# Altium PCB SI944D.PcbDoc (part 3 of 5)
Units mm, origin at the board's own origin, x right, y up, seen from the top; angles counter-clockwise.
Board outline 281.94 x 89 mm, 4 copper layers (Top, MidLayer1, MidLayer2, Bottom), stack 1.65 mm thick; 571 components, 351 nets, 1529 pads, 905 vias.
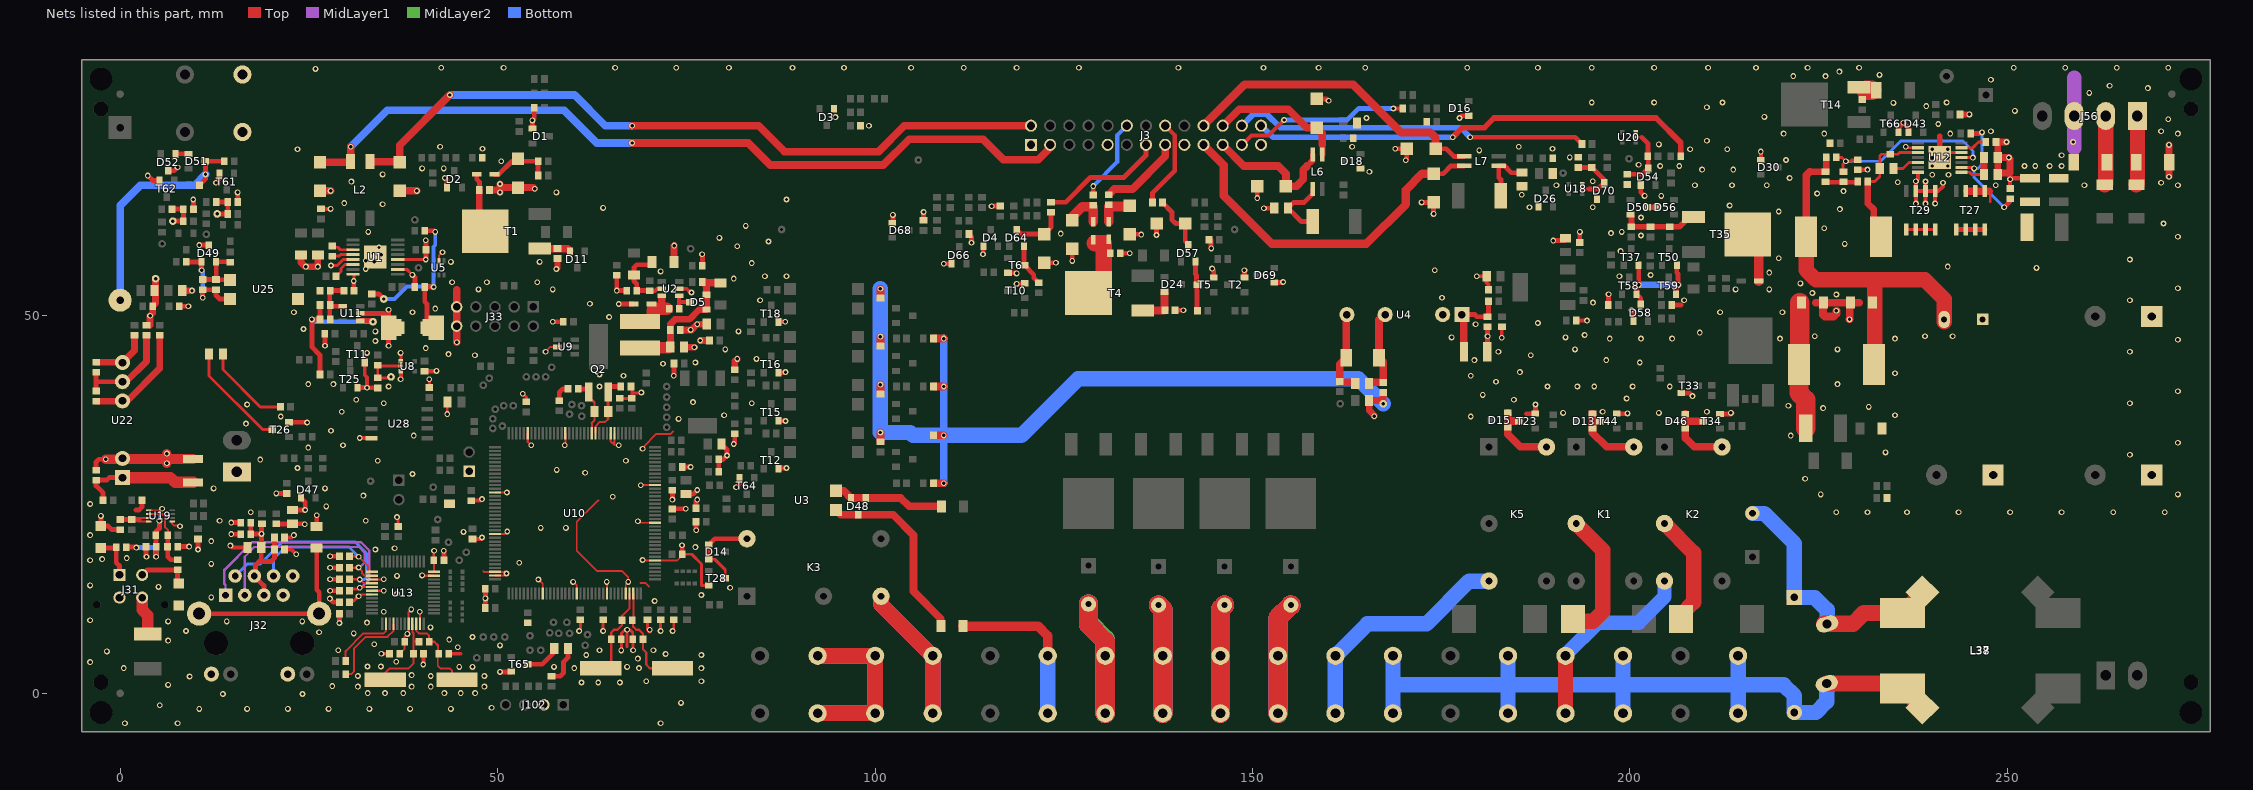
[diagram p5: the nets of this part, all layers, seen from the top]

## Via types
v1: diameter 0.77, hole 0.45, Top to Bottom, 900 vias
v2: diameter 1.27, hole 0.8, Top to Bottom, 4 vias
v3: diameter 1.016, hole 0.45, Top to Bottom, 1 vias

## Nets (pads, with @x,y where several pads share a name; then routed paths per layer and width w, separated by ;. In a path a pad name is that pad's centre, name@x,y a point inside that pad or via, vN(x,y) a via of type N, cw(c..) or ccw(c..) an arc to the next point about the centre after c; other vN are vias at no path point) (continued)
ALIM_SIRENE_EXT: J3.12 L22.2 | length 11
  Top w0.635: L22.2@128.905,66.004 v1(128.905,67.183)
  Bottom w0.535: v1(128.905,67.183) 132.08,70.358 132.08,73.92 J3.12@133.35,75.19
ALIM_SIRENE_INT: J3.15 L21.2 | length 10.9
  Top w1.016: L21.2@131.064,66.167 131.699,66.802 134.112,66.802 138.43,71.12 J3.15@138.43,72.65
BA_ALIM: J31.4 L31.1 | length 5.1
  Top w1.524: J31.4@2.92,12.68 2.92,11.05 3.651,10.319 L31.1@3.651,7.856
BA_SCL: D33.K J31.2 L30.2 | length 6.8
  Top w0.381: D33.K@7.62,14.658 D33.K@7.747,14.531
  Top w0.635: J31.2@2.92,15.68 3.587,16.347 L30.2@7.62,16.347 D33.K@7.62,14.658
BA_SDA: D34.K J31.1 L32.2 | length 5.9
  Top w0.635: D34.K@-2.54,19.251 -0.628,19.251 L32.2@-0.512,19.367 -0.512,17.304 -0.08,16.872 J31.1@-0.08,15.68
COMMANDE_SIRENE_EXT: J3.13 L36.2 | length 16.5
  Top w0.635: L36.2@123.317,65.06 125.258,65.06 128.524,68.326 132.969,68.326 135.89,71.247 J3.13@135.89,72.65
COMMANDE_SIRENE_INT: J3.16 L35.2 | length 11.9
  Top w0.535: J3.16@138.43,75.19 139.7,73.92 139.7,69.215
  Top w0.635: L35.2@136.743,65.024 136.743,66.258 139.7,69.215
COMPTEUR_GAZ: J3.26 L33.1 | length 60.4
  Top w0.762: v1(176.53,73.66) 177.8,74.93 180.721,74.93 181.991,76.2 203.454,76.2 206.728,72.926 L33.1@206.728,71.12
  Bottom w0.762: J3.26@151.13,75.19 151.2,75.19 152.73,73.66 v1(176.53,73.66)
CU_K1: J48.1 J48.2 K2.14 | length 26.1
  Top w2.032: J48.1@191.46,-2.65 J48.2@191.46,4.97
  Bottom w1.905: J48.2@191.46,4.97 191.46,5.088 195.739,9.366 201.136,9.366 204.565,12.795 K2.14@204.565,14.859
DETECT_FUITE_1_+: D10.K J3.21 L6.4 | length 18.1
  Top w0.762: 157.226,69.85 157.988,70.612 L6.4@157.988,71.374
  Top w1.016: J3.21@146.05,72.65 148.85,69.85 153.394,69.85 154.432,68.812 D10.K@154.432,67.183 155.829,67.183 156.718,68.072 156.718,69.342 157.226,69.85
DETECT_FUITE_1_-: D17.K J3.22 L6.3 | length 18.2
  Top w0.762: L6.3@159.258,71.374 159.258,72.644
  Top w1.016: J3.22@146.05,75.19 148.243,77.383 154.724,77.383 157.177,74.93 D17.K@158.496,74.93 159.258,74.168 159.258,72.644
DETECT_FUITE_2_+: D19.K J3.19 L7.4 | length 47.7
  Top w0.635: D19.K@173.99,68.834 175.26,68.834 176.276,69.85 L7.4@178.054,69.85
  Top w1.106: J3.19@143.51,72.65 146.177,69.983 146.177,65.913 152.527,59.563 165.1,59.563 170.307,64.77 170.307,66.675 172.466,68.834 D19.K@173.99,68.834
DETECT_FUITE_2_-: D20.K J3.20 L7.3 | length 41.6
  Top w0.635: D20.K@174.244,72.136 175.641,72.136 176.657,71.12 L7.3@178.054,71.12
  Top w1.106: J3.20@143.51,75.19 148.965,80.645 163.322,80.645 169.672,74.295 173.545,74.295 174.244,73.596 D20.K@174.244,72.136
DETECT_PLUIE: J3.23 L26.1 | length 23.3
  Top w0.535: J3.23@148.59,72.65 149.857,73.917 151.655,73.917 151.658,73.914 152.146,73.914 v1(154.178,75.946) ; v1(168.656,77.47) L26.1@169.89,77.47
  Bottom w0.635: v1(154.178,75.946) 162.56,75.946 164.084,77.47 v1(168.656,77.47)
DETECT_VENT: J3.24 L46.1 | length 47.3
  Top w0.635: v1(178.816,73.66) 192.75,73.66 L46.1@193.639,72.771
  Bottom w0.762: J3.24@148.59,75.19 150.108,76.708 151.892,76.708 153.67,74.93 177.546,74.93 v1(178.816,73.66)
ETH_RD+: J32.3 R77.1 U13.14 | length 27.7
  Top w0.254: v1@31.623,16.637 32.067,16.192 32.067,15.875 32.358,15.585 U13.14@33.344,15.585
  Top w0.381: R77.1@30.389,16.637 v1@31.623,16.637
  MidLayer1 w0.305: J32.3@16.51,13 16.51,18.098 17.78,19.367 31.686,19.367 32.385,18.669 32.385,17.304 v1@31.718,16.637 ; v1@31.528,16.669 v1(31.591,16.669)
ETH_RD-: J32.6 R72.1 U13.13 | length 18.9
  Top w0.254: v1@31.528,18.161 v1(31.591,18.098) 32.861,16.828 32.861,16.085 U13.13@33.344,16.085
  Top w0.381: R72.1@30.389,18.161 v1@31.528,18.161
  Bottom w0.381: J32.6@20.32,15.54 20.32,17.78 21.907,19.367 30.321,19.367 v1(31.591,18.098)
ETH_TD+: J32.1 R79.1 U13.17 | length 33.3
  Top w0.254: v1(31.75,13.97) 31.865,14.085 U13.17@33.344,14.085
  Top w0.381: R79.1@30.389,13.589 30.611,13.811 31.591,13.811 v1(31.75,13.97)
  MidLayer1 w0.305: J32.1@13.97,13 13.97,14.351 13.811,14.51 13.811,16.351 17.462,20.002 31.909,20.002 33.02,18.891 33.02,15.081 31.909,13.97 v1(31.75,13.97)
ETH_TD-: J32.2 R78.1 U13.16 | length 27.3
  Top w0.254: v1(31.75,15.081) 32.246,14.585 U13.16@33.344,14.585
  Top w0.381: R78.1@30.389,15.113 31.718,15.113 v1(31.75,15.081)
  Bottom w0.381: J32.2@15.24,15.54 16.845,17.145 18.574,17.145 21.495,20.066 31.115,20.066 32.639,18.542 32.639,15.367 32.353,15.081 v1(31.75,15.081)
EV: J37.1 J37.2 K3.14 | length 73.5
  Top w2.032: K3.14@100.806,12.859 100.806,11.747 107.584,4.97 J37.2@107.64,4.97 J37.1@107.64,-2.65
  MidLayer1 w2.032: K3.14@100.806,12.859 100.806,11.747 107.584,4.97 J37.2@107.64,4.97 J37.1@107.64,-2.65
  MidLayer2 w2.032: K3.14@100.806,12.859 100.806,11.747 107.584,4.97 J37.2@107.64,4.97 J37.1@107.64,-2.65
  Bottom w2.032: K3.14@100.806,12.859 100.806,11.747 107.584,4.97 J37.2@107.64,4.97 J37.1@107.64,-2.65
FP_SDB1: F8.2 J42.1 J42.2 | length 58.2
  Top w2.54: J42.1@145.74,-2.65 J42.2@145.74,4.97 145.74,11.11 F8.2@146.304,11.674
  MidLayer1 w2.54: J42.1@145.74,-2.65 J42.2@145.74,4.97 145.74,11.11 F8.2@146.304,11.674
  MidLayer2 w2.54: J42.1@145.74,-2.65 J42.2@145.74,4.97 145.74,11.11 F8.2@146.304,11.674
  Bottom w2.54: J42.1@145.74,-2.65 J42.2@145.74,4.97 145.74,11.11 F8.2@146.304,11.674
FP_SDB2: F9.2 J43.1 J43.2 | length 60.1
  Top w2.54: J43.1@153.36,-2.65 J43.2@153.36,4.97 153.36,9.967 F9.2@155.067,11.674
  MidLayer1 w2.54: J43.1@153.36,-2.65 J43.2@153.36,4.97 153.36,9.967 F9.2@155.067,11.674
  MidLayer2 w2.54: J43.1@153.36,-2.65 J43.2@153.36,4.97 153.36,9.967 F9.2@155.067,11.674
  Bottom w2.54: J43.1@153.36,-2.65 J43.2@153.36,4.97 153.36,9.967 F9.2@155.067,11.674
FP_ZJ: F6.2 J40.1 J40.2 | length 61.5
  Top w2.54: F6.2@128.27,11.801 128.27,9.144 130.5,6.914 J40.2@130.5,4.97 J40.1@130.5,-2.65
  MidLayer1 w2.54: F6.2@128.27,11.801 128.27,9.144 130.5,6.914 J40.2@130.5,4.97 J40.1@130.5,-2.65
  MidLayer2 w2.54: F6.2@128.27,11.801 128.27,9.398 130.5,7.168 J40.2@130.5,4.97 J40.1@130.5,-2.65
  Bottom w2.54: F6.2@128.27,11.801 128.27,9.144 130.5,6.914 J40.2@130.5,4.97 J40.1@130.5,-2.65
FP_ZN: F7.2 J41.1 J41.2 | length 58.3
  Top w2.54: F7.2@137.541,11.674 138.12,11.095 J41.2@138.12,4.97 J41.1@138.12,-2.65
  MidLayer1 w2.54: F7.2@137.541,11.674 138.12,11.095 J41.2@138.12,4.97 J41.1@138.12,-2.65
  MidLayer2 w2.54: F7.2@137.541,11.674 138.12,11.095 J41.2@138.12,4.97 J41.1@138.12,-2.65
  Bottom w2.54: F7.2@137.541,11.674 138.12,11.095 J41.2@138.12,4.97 J41.1@138.12,-2.65
GND: C1.2 C2.2 C3.2 C4.2 C5.2 C6.1 C7.2 C9.1 C10.1 C11.1 C12.1 C13.1 C14.1 C15.1 C16.1 C17.1 C18.2 C19.1 C20.2 C24.2 C25.1 C26.1 C27.2 C28.2 C31.2 C32.2 C33.2 C34.1 C35.1 C36.2 C37.2 C38.2 C39.2 C40.2 C41.2 C42.2 C43.2 C44.2 C45.2 C46.2 C47.1 C48.2 C49.1 C50.2 C51.1 C52.1 C54.1 C55.2 C56.2 C57.2 C58.1 C59.2 C60.2 C61.2 C62.2 C63.1 C64.1 C65.1 C66.1 C67.2 C68.2 C69.2 C70.1 C71.2 C72.2 C73.1 C79.2 C80.2 C83.1 C84.2 C86.2 C87.2 C90.1 C94.1 C95.1 C96.1 C97.2 C98.1 C100.2 C101.1 C102.1 C103.2 C104.2 C105.1 C106.2 C107.2 C108.1 C109.1 C110.1 C111.2 C112.2 C114.2 C115.2 C118.1 C119.2 C120.1 C138.2 C139.2 C140.2 C141.2 C142.1 C143.2 D1.1 D2.1 D3.1 D4.1 D8.A D9.A D10.A D16.1 D17.A D18.1 D19.A D20.A D26.1 D27.K D30.1 D33.A D34.A D39.A D40.A D43.1 D44.K D47.1 D54.1 D55.K D58.1 D59.A D60.A D61.A D62.A D63.A D65.A D66.1 D68.1 D69.1 D70.1 J3.1 J3.9 J3.17 J3.25 J31.3 J32.7 J32.8 J33.9 J33.10 J53.1 J54.1 J56.3 J102.2 R6.1 R13.2 R26.1 R30.1 R33.1 R34.1 R65.1 R67.1 R81.1 R85.1 R88.1 R95.1 R96.2 R98.2 R99.2 R100.1 R168.1 R207.1 R208.1 T2.2 T5.2 T6.2 T10.2 T11.2 T12.2 T15.2 T16.2 T18.2 T23.2 T25.2 T26.2 T28.2 T29.1 T29.2 T29.3 T33.2 T34.2 T44.2 T64.2 T65.2 T66.2 U1.2 U1.4 U1.13 U1.16 U1.PAD U2.2 U4.2 U5.2 U8.1 U8.3 U9.2 U10.8 U10.9 U10.21 U10.31 U10.49 U10.60 U10.70 U10.71 U10.82 U10.91 U10.99 U10.104 U10.114 U10.124 U10.134 U11.2 U12.5 U12.9 U12.14 U12.EP U13.15 U13.18 U13.35 U13.47 U18.3 U19.1 U20.3 U22.2 U25.3 U28.4 | length 403.3
  Top w0.203: U10.114@70.832,17.593 73.79,17.593 74.458,18.26 C43.2@74.458,18.41
  Top w0.254: U19.1@6.884,22.745 6.884,22.485 7.144,22.225 7.938,22.225 7.925,22.212 7.925,22.2 7.938,22.187 v1(7.938,22.127) ; v1(39.688,10.795) 39.715,10.768 U13.35@39.715,9.214 ; v1(40.005,15.621) v1@40.041,15.585 ; U5.2@42.227,57.306 42.227,57.944 v1(42.704,58.42) ; 48.101,16.192 48.201,16.093 U10.70@49.632,16.093 v1@50.963,16.093 ; U10.71@49.632,15.593 50.899,15.593 ; U10.60@49.632,21.093 50.938,21.093 v1(51.276,21.431) ; U10.49@49.632,26.593 v1(51.231,26.593) ; v1(55.404,15.081) 55.982,14.503 U10.82@55.982,13.243 ; v1(56.356,45.244) 56.991,45.879 U9.2@57.904,45.879 ; v1(58.896,32.861) 59.055,32.861 58.982,32.934 U10.21@58.982,34.443 ; v1(60.008,14.764) 60.482,14.289 U10.91@60.482,13.243 ; 63.341,25.559 60.484,22.701 60.484,18.891 63.182,16.192 66.516,16.192 67.31,15.399 v1(67.31,14.764) 66.982,14.436 U10.104@66.982,13.243 ; v1(64.453,14.764) 64.453,14.794 64.482,14.765 U10.99@64.482,13.243 ; U10.9@64.982,34.443 64.982,33.443 ccw(c65.273,33.443) 65.273,33.152 ; U10.8@65.482,34.443 65.482,33.361 ; v1(66.04,32.861) 65.564,32.861 65.482,32.943 ; v1(68.58,22.796) 68.784,22.593 U10.124@70.832,22.593 ; 68.897,14.605 69.596,14.605 70.04,14.16 ; v1(68.961,27.559) 68.995,27.593 U10.134@70.832,27.593 ; v1(69.215,17.653) 69.275,17.593 U10.114@70.832,17.593 ; v1@69.367,32.588 69.367,32.69 71.044,34.366 72.942,34.366 73.263,34.687 ; 65.273,33.152 65.482,33.361 ; 65.273,33.152 65.482,32.943 ; 65.482,32.943 65.482,33.361
  Top w0.305: U13.18@33.344,13.585 34.921,13.585 v1(34.925,13.589) ; U13.15@33.344,15.085 34.953,15.085 v1(34.925,15.113) ; v1@40.041,15.585 U13.47@41.586,15.585 ; v1(42.862,18.891) 42.862,18.86 v1@42.898,18.824 ; 50.899,15.593 v1(51.181,15.875) v1@50.963,16.093 ; U10.31@53.982,34.443 53.982,33.33 v1(54.451,32.861) ; v1(74.422,19.621) v1@74.458,19.586
  Top w0.381: v1(27.94,56.674) 28.765,56.674 29.552,57.46 U1.13@30.844,57.46 ; U1.16@30.844,55.51 30.956,55.398 v1(30.956,54.61) ; U1.2@36.784,56.16 37.979,56.16 v1(38.713,55.426) ; U1.4@36.784,57.46 v1@40.474,57.46 ; v1(37.148,45.085) 37.201,45.032 U8.1@37.201,43.989 ; C143.2@40.957,40.517 v1(40.957,41.593) ; v1(43.339,36.989) 43.339,38.538 C120.1@43.377,38.576 ; v1(53.34,39.688) 53.816,39.211 C46.2@53.816,38.771 ; C46.2@53.816,38.612 C46.2@53.816,38.771 ; C46.2@53.848,38.771 C46.2@53.816,38.771 ; v1(60.801,8.255) 60.96,8.414 C38.2@60.96,9.743 ; v1(63.976,8.255) C41.2@63.976,9.743 ; C37.2@66.199,39.088 66.199,39.052 C40.2@67.79,39.052 ; v1(66.393,5.679) C26.1@66.393,7.144 66.393,7.948 66.859,8.414 v1(67.151,8.414) ; 67.158,6.172 67.158,8.407 v1(67.151,8.414) ; C27.2@67.663,40.64 67.786,40.517 67.786,39.802 ; C40.2@67.786,39.088 67.786,39.802 ; v1(67.945,5.715) 67.945,7.108 C25.1@67.909,7.144 67.909,8.037 67.532,8.414 v1(67.151,8.414) ; v1@69.056,39.688 v1(69.056,39.846) 69.012,39.802 67.786,39.802 ; C102.1@69.85,9.743 69.85,8.414 70.168,8.096 70.247,8.096 70.168,8.176 v1(70.168,8.414) ; v1(71.596,8.255) C32.2@71.596,9.743 ; v1(73.184,8.255) 73.343,8.255 C33.2@73.343,9.743 ; C43.2@74.458,18.41 C43.2@74.462,18.415 ; C43.2@74.458,18.415 C43.2@74.462,18.415 ; T28.2@77.957,14.265 77.016,14.265 76.994,14.287 76.994,17.145 75.724,18.415 C43.2@74.462,18.415 ; v1(236.537,72.39) 236.659,72.269 U12.9@238.171,72.269 ; U12.EP@241.046,70.993 241.672,71.619 U12.5@243.921,71.619
  Top w0.508: v1(14.605,19.558) 14.859,19.304 C58.1@16.866,19.304 ; C69.2@21.784,19.05 22.701,19.05 v1(23.336,18.415) ; C68.2@21.784,20.637 22.701,20.637 v1(23.019,20.955) ; C18.2@26.607,64.171 v1(27.877,64.171) ; v1(31.75,33.814) U28.4@33.289,33.814 ; v1@32.703,40.492 32.703,41.864 32.407,42.159 T11.2@32.407,43.826 32.407,44.79 v1(32.703,45.085) ; v1(34.608,5.239) C67.2@35.683,5.239 ; v1(37.148,41.593) 37.201,41.646 U8.3@37.201,42.689 ; v1@40.164,3.969 40.199,4.004 C64.1@40.199,5.239 ; C65.1@43.533,5.239 45.085,5.239 ; C45.2@46.514,25.523 47.748,25.523 v1(47.942,25.717) ; C36.2@46.672,20.443 47.907,20.443 47.942,20.479 v1(47.942,20.637) ; U2.2@74.049,53.594 75.057,53.594 75.565,53.086 v1(75.692,53.086) ; v1@179.705,55.309 v1(179.705,55.245) C101.1@181.013,55.245 181.013,54.381 181.256,54.138 C84.2@181.256,53.467 ; v1(183.007,47.085) 183.007,48.51 C4.2@183.039,48.542 ; R88.1@192.885,49.371 v1(194.31,49.371) ; v1(217.329,71.755) 217.34,71.744 D30.1@217.34,70.666 ; v1(237.871,64.873) T29.3@237.871,66.524 ; U12.14@238.171,68.897 238.171,68.118 v1(237.871,67.818) T29.3@237.871,66.524 ; v1(239.141,64.873) T29.2@239.141,66.524 ; v1(239.141,67.794) T29.2@239.141,66.524 ; v1(240.411,64.885) T29.1@240.411,66.524 ; v1(241.459,67.627) 241.459,67.151 240.831,66.524 T29.1@240.411,66.524 ; C48.2@250.349,66.869 v1(250.349,68.104) ; T29.3@237.871,66.524 T29.2@239.141,66.524 ; T29.2@239.141,66.524 T29.1@240.411,66.524
  Top w0.635: C115.2@-3.175,29.563 -3.175,30.639 -2.8,31.013 v1(-1.905,31.013) ; v1(-2.54,23.495) D34.A@-2.54,22.151 -1.577,22.151 -1.107,21.681 C87.2@0,21.681 ; 2.064,24.289 2.54,24.289 2.893,24.642 C114.2@2.893,25.559 ; C79.2@3.429,19.431 3.429,18.161 v1(3.492,18.098) ; C80.2@7.62,19.431 v1(9.144,19.431) ; v1(10.319,19.05) C86.2@10.319,20.443 ; v1(14.732,21.082) C72.2@15.966,21.082 ; v1(14.732,22.606) C71.2@15.966,22.606 ; v1(20.673,26.476) C138.2@22.066,26.476 ; T26.2@22.373,35.9 24.743,35.9 v1(24.765,35.877) ; C54.1@22.86,24.282 v1(24.511,24.282) 24.511,25.325 D47.1@23.949,25.887 ; C63.1@26.035,22.119 v1(26.035,23.59) ; C24.2@27.111,47.625 27.146,47.589 v1(27.146,46.038) ; v1(27.781,12.541) 28.258,12.065 C61.2@29.047,12.065 ; v1(29.047,9.307) R85.1@29.047,10.541 ; v1(30.956,54.61) 30.956,53.376 C16.1@30.992,53.34 ; T25.2@31.455,40.492 v1@32.703,40.492 ; U11.2@31.789,50.324 34.925,50.324 D44.K@35.56,49.689 ; v1(32.703,40.481) 34.096,40.481 C96.1@34.131,40.446 ; v1(35.56,46.038) D44.K@35.56,48.393 ; v1(35.56,50.8) 35.585,50.775 D44.K@35.585,49.663 ; D27.K@36.83,48.419 D44.K@35.585,49.663 ; v1(38.713,55.426) 39.052,55.086 39.052,53.852 R6.1@39.017,53.816 ; C31.2@40.322,42.668 41.874,42.668 v1(41.91,42.704) ; v1@40.474,57.46 v1(40.481,57.468) 40.517,57.503 C20.2@40.517,58.737 40.517,59.972 v1(40.481,60.008) ; v1(42.862,18.891) 42.898,18.856 42.898,18.824 C62.2@42.898,17.621 ; v1(43.021,68.263) 43.316,67.967 D2.1@43.316,67.004 ; C44.2@48.351,11.303 v1(48.387,12.573) C56.2@48.387,13.807 ; v1(50.324,2.835) 51.775,2.835 T65.2@51.816,2.876 ; D1.1@54.621,74.794 54.621,75.871 54.86,76.11 C100.2@54.86,77.565 ; v1(57.309,49.212) C60.2@58.702,49.212 ; C39.2@58.166,38.771 58.166,39.846 58.642,40.322 C28.2@59.337,40.322 ; C103.2@65.786,55.372 v1(65.786,53.34) C119.2@67.091,53.34 ; v1(66.04,51.562) D65.A@68.04,51.562 ; C55.2@73.152,24.42 73.18,24.447 v1(74.93,24.447) ; v1(73.152,25.654) C42.2@73.152,26.888 ; v1(73.343,42.069) 73.37,42.097 C107.2@73.37,43.688 ; C43.2@74.458,18.41 74.458,18.415 v1@74.458,19.586 ; R98.2@74.458,29.972 v1(75.565,29.972) ; C35.1@74.93,26.391 75.921,26.391 v1(76.454,26.924) ; C73.1@76.291,22.733 76.291,21.626 v1(76.327,21.59) ; C12.1@76.291,24.511 76.291,25.491 v1(76.454,25.654) ; v1(77.089,58.166) 77.125,58.13 R168.1@77.125,56.642 ; R96.2@79.284,29.337 R99.2@79.284,30.988 79.883,30.988 v1(80.391,31.496) 80.391,32.283 C108.1@79.654,33.02 ; v1(81.28,33.02) 81.407,33.147 C106.2@81.407,34.381 ; v1(81.597,27.305) 82.051,27.759 T64.2@82.051,28.564 ; T12.2@87.208,29.761 T12.2@87.218,29.751 ; T15.2@87.208,36.111 88.095,36.111 v1(88.138,36.068) ; T16.2@87.208,42.461 88.054,42.461 v1(88.138,42.545) ; T18.2@87.208,49.192 87.228,49.212 v1(88.106,49.212) ; v1(88.265,29.845) 87.312,29.845 T12.2@87.218,29.751 ; D68.1@102.278,62.316 102.362,62.4 v1(102.362,63.373) ; C140.2@106.426,62.647 v1(106.426,63.754) ; v1(109.093,56.896) 110.107,56.896 D66.1@110.15,56.939 ; C139.2@112.431,60.833 112.776,60.488 v1(112.776,59.69) ; v1(114.3,58.166) 114.341,58.207 D4.1@114.341,59.225 ; v1(115.443,64.516) 115.479,64.552 C7.2@116.586,64.552 ; T6.2@117.613,55.699 118.672,55.699 v1(118.745,55.626) ; v1(118.745,54.229) 119.727,54.229 T10.2@119.813,54.315 ; D62.A@122.428,57.023 v1(123.952,57.023) ; v1(126.111,57.277) D60.A@126.111,58.857 ; C5.2@132.497,58.293 v1(133.731,58.293) ; D61.A@133.731,60.797 135.219,60.797 v1(135.255,60.762) ; v1(137.287,60.706) D59.A@137.287,62.23 ; R34.1@139.736,50.729 v1(140.843,50.729) ; C141.2@144.49,60.071 144.49,58.964 v1(144.526,58.928) ; v1(144.653,56.261) 144.864,56.05 T5.2@144.864,55.077 ; T2.2@148.928,55.077 v1(148.928,56.046) ; v1(150.622,65.596) D10.A@150.622,67.183 ; v1(151.511,64.262) C49.1@152.883,64.262 ; D69.1@152.865,54.397 153.963,54.397 154.049,54.483 v1(154.051,54.483) ; D17.A@158.496,78.74 159.829,78.74 v1(160.083,78.486) ; v1(168.91,72.136) D20.A@170.434,72.136 170.434,70.739 v1(170.307,70.612) ; v1(172.402,65.024) D19.A@173.99,65.024 v1(173.99,63.5) ; v1(177.419,76.2) 177.714,76.495 D16.1@178.646,76.495 ; C19.1@181.096,45.244 181.134,45.281 v1(181.134,47.307) C112.2@181.134,48.542 ; 186.302,37.043 T23.2@187.464,37.043 ; T23.2@187.484,37.148 v1(187.484,38.259) ; v1(189.826,59.969) C98.1@191.421,59.969 ; C97.2@193.357,59.726 v1(193.357,61.119) ; R208.1@197.132,51.435 197.167,51.471 v1(197.167,52.864) ; T44.2@198.236,37.043 199.635,37.043 v1(199.676,37.084) ; v1(200.184,50.8) 200.447,50.537 D58.1@200.447,49.319 ; D54.1@201.431,67.321 201.431,66.38 v1(201.93,65.881) ; R207.1@205.522,51.435 206.756,51.435 ; T33.2@206.799,39.792 207.858,39.792 v1(208.28,39.37) ; T34.2@211.92,37.011 213.382,37.011 213.519,37.148 v1(213.36,37.148) ; R95.1@230.188,69.338 231.422,69.338 v1(231.457,69.374) ; T66.2@235.544,74.338 235.544,74.889 v1(236.22,75.565) 236.896,74.889 D43.1@236.896,74.338 ; 250.349,68.933 250.349,68.225 C47.1@252.984,68.225 ; D44.K@35.56,48.393 D44.K@35.56,49.689 ; D44.K@35.56,48.393 D44.K@35.585,48.419 D44.K@35.585,49.663 ; D44.K@35.56,49.689 D44.K@35.585,49.663 ; T12.2@87.218,29.751 87.185,29.718 87.251,29.718 T12.2@87.218,29.751
  Top w0.762: v1(57.785,56.197) 57.944,56.356 R33.1@57.944,57.591 ; U12.EP@241.046,70.993 241.046,73.787 ; R67.1@243.717,76.676 v1(244.951,76.676)
  Top w0.889: C70.1@23.971,58.081 23.971,57.055 24.511,56.515 v1(24.606,56.515) v1(26.194,56.515) C83.1@26.194,58.081 ; C3.2@48.931,66.675 50.006,66.675 50.324,66.992 ; v1(50.324,66.358) 50.324,66.992 ; v1(50.324,67.469) 50.324,66.992 ; v1(54.927,66.834) 54.769,66.992 D9.A@52.705,66.992 50.324,66.992 ; C110.1@73.364,57.15 73.364,59.267 v1(73.406,59.309) ; C110.1@73.406,57.303 C110.1@73.432,57.277 ; C104.2@74.204,48.133 v1(75.565,48.133) 75.692,48.133 v1(76.454,48.895) C105.1@77.699,48.895 ; C6.1@74.701,45.847 v1(76.073,45.847) ; v1(76.835,46.736) C111.2@78.069,46.736 ; R100.1@81.407,42.876 81.407,43.942 v1(81.756,44.291) ; v1(249.873,73.025) C50.2@248.479,73.025 248.723,72.781 C95.1@248.723,70.969 ; v1(271.399,68.421) v1(271.399,72.644) ; C95.1@248.723,70.969 v1(250.19,70.969) 250.349,70.81 250.349,68.933 248.917,68.933 C66.1@248.723,68.739 C95.1@248.723,70.961 C95.1@248.723,70.969
  Top w1.016: D63.A@26.479,66.548 v1(27.877,66.548) ; D8.A@37.02,66.548 v1(39.306,66.548) ; v1@44.577,46.545 J33.10@44.577,48.641 J33.9@44.577,51.181 44.577,53.467 ; 224.631,51.752 C118.1@225.568,51.752 ; C118.1@225.568,51.911 C118.1@225.568,51.752 ; v1(227.346,50.673) 227.346,50.292 226.965,49.911 225.822,49.911 225.568,50.165 C118.1@225.568,51.752 ; v1(229.076,49.53) 229.124,49.578 C51.1@229.124,51.752 ; C51.1@229.124,51.911 C51.1@229.124,51.752 ; 230.346,51.752 C51.1@229.214,51.752 C51.1@229.124,51.752 ; C118.1@225.568,51.752 C118.1@225.605,51.752 C51.1@229.124,51.752
  Top w1.27: v1(-1.905,31.013) 0.216,31.013 U22.2@0.318,31.115 0.393,31.04 6.191,31.04 ; v1(6.191,30.48) 6.191,31.04 ; v1(6.191,31.75) 6.191,31.04 ; C90.1@9.684,31.04 6.191,31.04
  MidLayer1 w1.905: 258.856,72.224 258.856,81.559
  other v1: 0.635,-3.969 7.62,-3.969 71.596,-3.969 10.477,-2.064 16.828,-2.064 22.225,-2.064 27.622,-2.064 33.02,-2.064 38.417,-2.064 43.815,-2.064 49.212,-1.905 5.239,-1.587 74.295,-1.27 13.621,-0.095 24.162,-0.095 32.798,0.032 35.084,0.032 37.497,0.032 42.958,0.032 45.117,0.032 47.022,0.032 31.496,0.889 38.608,0.889 41.148,0.889 48.26,0.889 28.099,0.953 6.35,1.111 61.119,1.429 63.341,1.429 66.199,1.429 69.691,1.587 76.994,1.587 9.207,2.222 31.496,2.286 41.148,2.286 48.26,2.286 38.608,2.413 0.476,3.334 60.166,3.334 68.739,3.334 76.994,3.334 44.926,3.492 46.672,3.492 57.468,3.492 67.151,3.492 32.766,3.556 34.544,3.556 40.164,3.81 -3.969,4.127 36.576,4.191 68.58,4.604 61.754,5.08 76.994,5.08 72.263,5.207 -1.746,5.556 28.892,5.715 63.5,5.715 70.644,5.715 44.736,6.096 50.324,6.35 33.655,6.509 6.35,6.985 43.593,7.112 46.672,7.461 30.956,7.938 26.352,8.096 8.731,8.255 41.116,8.731 32.703,9.366 6.35,9.525 14.129,9.525 24.13,9.525 -3.969,9.684 34.925,10.795 70.802,12.224 12.065,12.7 76.994,13.018 36.671,13.176 80.804,13.97 5.08,14.097 -3.969,14.287 36.671,15.557 12.065,17.145 52.864,17.304 -3.969,17.621 -2.381,17.78 0.889,17.907 33.814,19.05 36.354,19.209 76.2,19.367 12.065,20.161 -3.969,20.955 45.491,21.387 55.721,21.907 59.055,21.907 13.176,22.86 32.544,22.86 17.304,23.971 227.33,23.971 231.457,23.971 236.696,23.971 243.522,23.971 250.349,23.971 257.175,23.971 264.001,23.971 270.827,23.971 27.305,24.765 -3.969,25.082 65.246,26.035 32.226,26.194 225.266,26.352 272.574,26.352 12.383,27.146 27.146,27.146 223.202,28.416 38.735,29.051 61.595,29.21 57.836,29.591 23.495,29.845 34.131,30.797 66.992,30.797 18.574,30.956 266.224,31.591 233.839,31.909 69.215,32.385 24.924,32.544 29.527,32.861 272.574,33.179 38.894,34.131 221.297,34.131 27.94,34.766 16.669,35.719 73.977,36.354 21.273,36.671 178.911,36.671 80.01,36.83 235.109,36.83 191.135,37.148 203.835,37.148 29.369,37.306 196.374,37.306 210.185,37.306 225.584,37.782 231.616,37.941 220.98,38.1 16.828,38.259 34.925,38.417 83.661,38.417 266.224,38.417 75.882,38.576 31.274,38.894 184.626,38.894 199.549,39.052 180.499,39.529 272.574,40.005 35.56,40.64 63.5,40.64 189.071,40.64 193.04,40.64 195.262,40.64 200.342,40.64 205.264,40.64 24.924,40.957 28.258,40.957 227.489,40.957 182.245,41.275 66.675,42.069 178.911,42.069 63.5,42.227 235.109,42.386 185.42,42.545 71.914,43.656 76.2,43.815 201.295,43.815 179.387,44.133 196.85,44.133 84.296,44.291 46.99,44.767 186.849,44.767 43.497,44.926 182.562,45.244 266.224,45.244 80.169,45.561 192.722,45.561 227.489,45.561 40.481,45.72 44.609,46.514 33.814,46.672 272.574,46.831 197.326,46.99 201.454,46.99 205.581,46.99 219.869,46.99 235.109,46.99 176.371,47.149 191.452,47.149 224.472,47.307 239.077,47.307 242.729,47.307 193.992,47.466 209.232,47.784 33.814,47.942 81.915,47.942 24.289,48.26 179.546,48.895 187.801,49.054 64.77,49.847 23.019,50.482 38.735,50.482 211.931,50.482 220.186,50.482 41.751,50.959 62.23,51.594 195.104,51.752 84.772,52.07 207.169,52.07 266.224,52.07 175.101,52.387 227.346,52.832 224.155,53.023 47.466,53.499 57.309,53.499 213.995,53.499 218.44,53.499 272.574,53.657 222.567,54.292 43.974,54.451 48.578,54.451 55.245,54.451 81.28,54.927 85.407,55.245 88.265,55.245 198.596,55.245 202.724,55.404 218.44,55.721 71.596,55.88 174.149,56.039 32.544,56.197 253.841,56.356 242.094,56.515 83.661,56.991 33.655,57.15 43.815,57.15 55.562,57.15 32.544,57.309 266.224,57.468 219.71,57.626 34.608,58.102 33.496,58.261 198.755,58.579 34.29,59.055 81.756,59.214 228.441,59.531 85.884,59.849 79.375,60.325 272.574,60.484 201.454,60.642 124.587,60.889 197.485,60.96 32.861,61.119 198.914,61.119 225.742,61.595 82.867,61.912 270.669,62.23 201.454,63.024 219.71,63.817 227.806,64.135 63.976,64.294 186.69,64.389 195.072,64.389 213.201,64.611 34.766,64.77 29.686,64.929 88.265,65.405 204.152,65.881 185.674,66.04 224.79,66.199 57.785,66.358 228.282,66.516 190.246,67.31 208.597,67.31 213.519,67.31 218.123,67.31 248.444,67.31 260.191,67.31 272.574,67.31 270.351,67.627 235.458,67.691 30.639,67.786 195.072,67.818 221.139,68.263 240.03,68.683 242.189,68.683 34.766,68.739 165.481,69.088 209.55,69.374 213.677,69.374 40.005,69.532 42.862,69.532 203.994,69.85 206.534,69.85 240.03,69.85 242.094,69.85 252.254,69.85 253.682,69.85 255.587,69.85 257.175,69.85 201.136,70.009 50.482,70.485 220.662,70.644 240.03,70.961 242.094,70.961 192.024,70.993 257.175,71.279 180.022,71.914 23.495,72.072 207.962,72.072 212.884,72.072 240.03,72.072 242.094,72.072 48.006,72.136 189.738,72.136 42.386,72.39 163.195,72.39 185.261,72.39 203.835,72.707 258.699,73.025 210.185,73.184 220.345,74.136 225.742,74.136 242.411,74.136 272.574,74.136 247.809,74.454 270.351,74.454 99.187,75.184 240.824,75.406 54.61,75.882 271.304,76.041 165.1,76.2 94.742,76.327 217.805,76.359 250.984,77.153 210.185,77.629 239.236,77.787 234.895,78.212 194.945,78.264 203.2,78.264 212.249,78.264 241.935,78.264 260.826,79.534 268.605,80.169 263.525,80.486 247.809,81.28 221.615,81.756 225.901,81.756 233.045,81.915 227.734,82.356 25.876,82.709 42.545,82.867 50.8,82.867 65.564,82.867 73.66,82.867 80.645,82.867 89.059,82.867 95.885,82.867 104.775,82.867 111.76,82.867 118.745,82.867 127,82.867 140.176,82.867 151.447,82.867 158.75,82.867 164.941,82.867 178.435,82.867 187.801,82.867 194.945,82.867 203.2,82.867 210.344,82.867 216.694,82.867 223.52,82.867 230.346,82.867 250.825,82.867 257.651,82.867 264.477,82.867 271.304,82.867